# Altium PCB Audio_Research.PcbDoc (part 1 of 4) (continued)
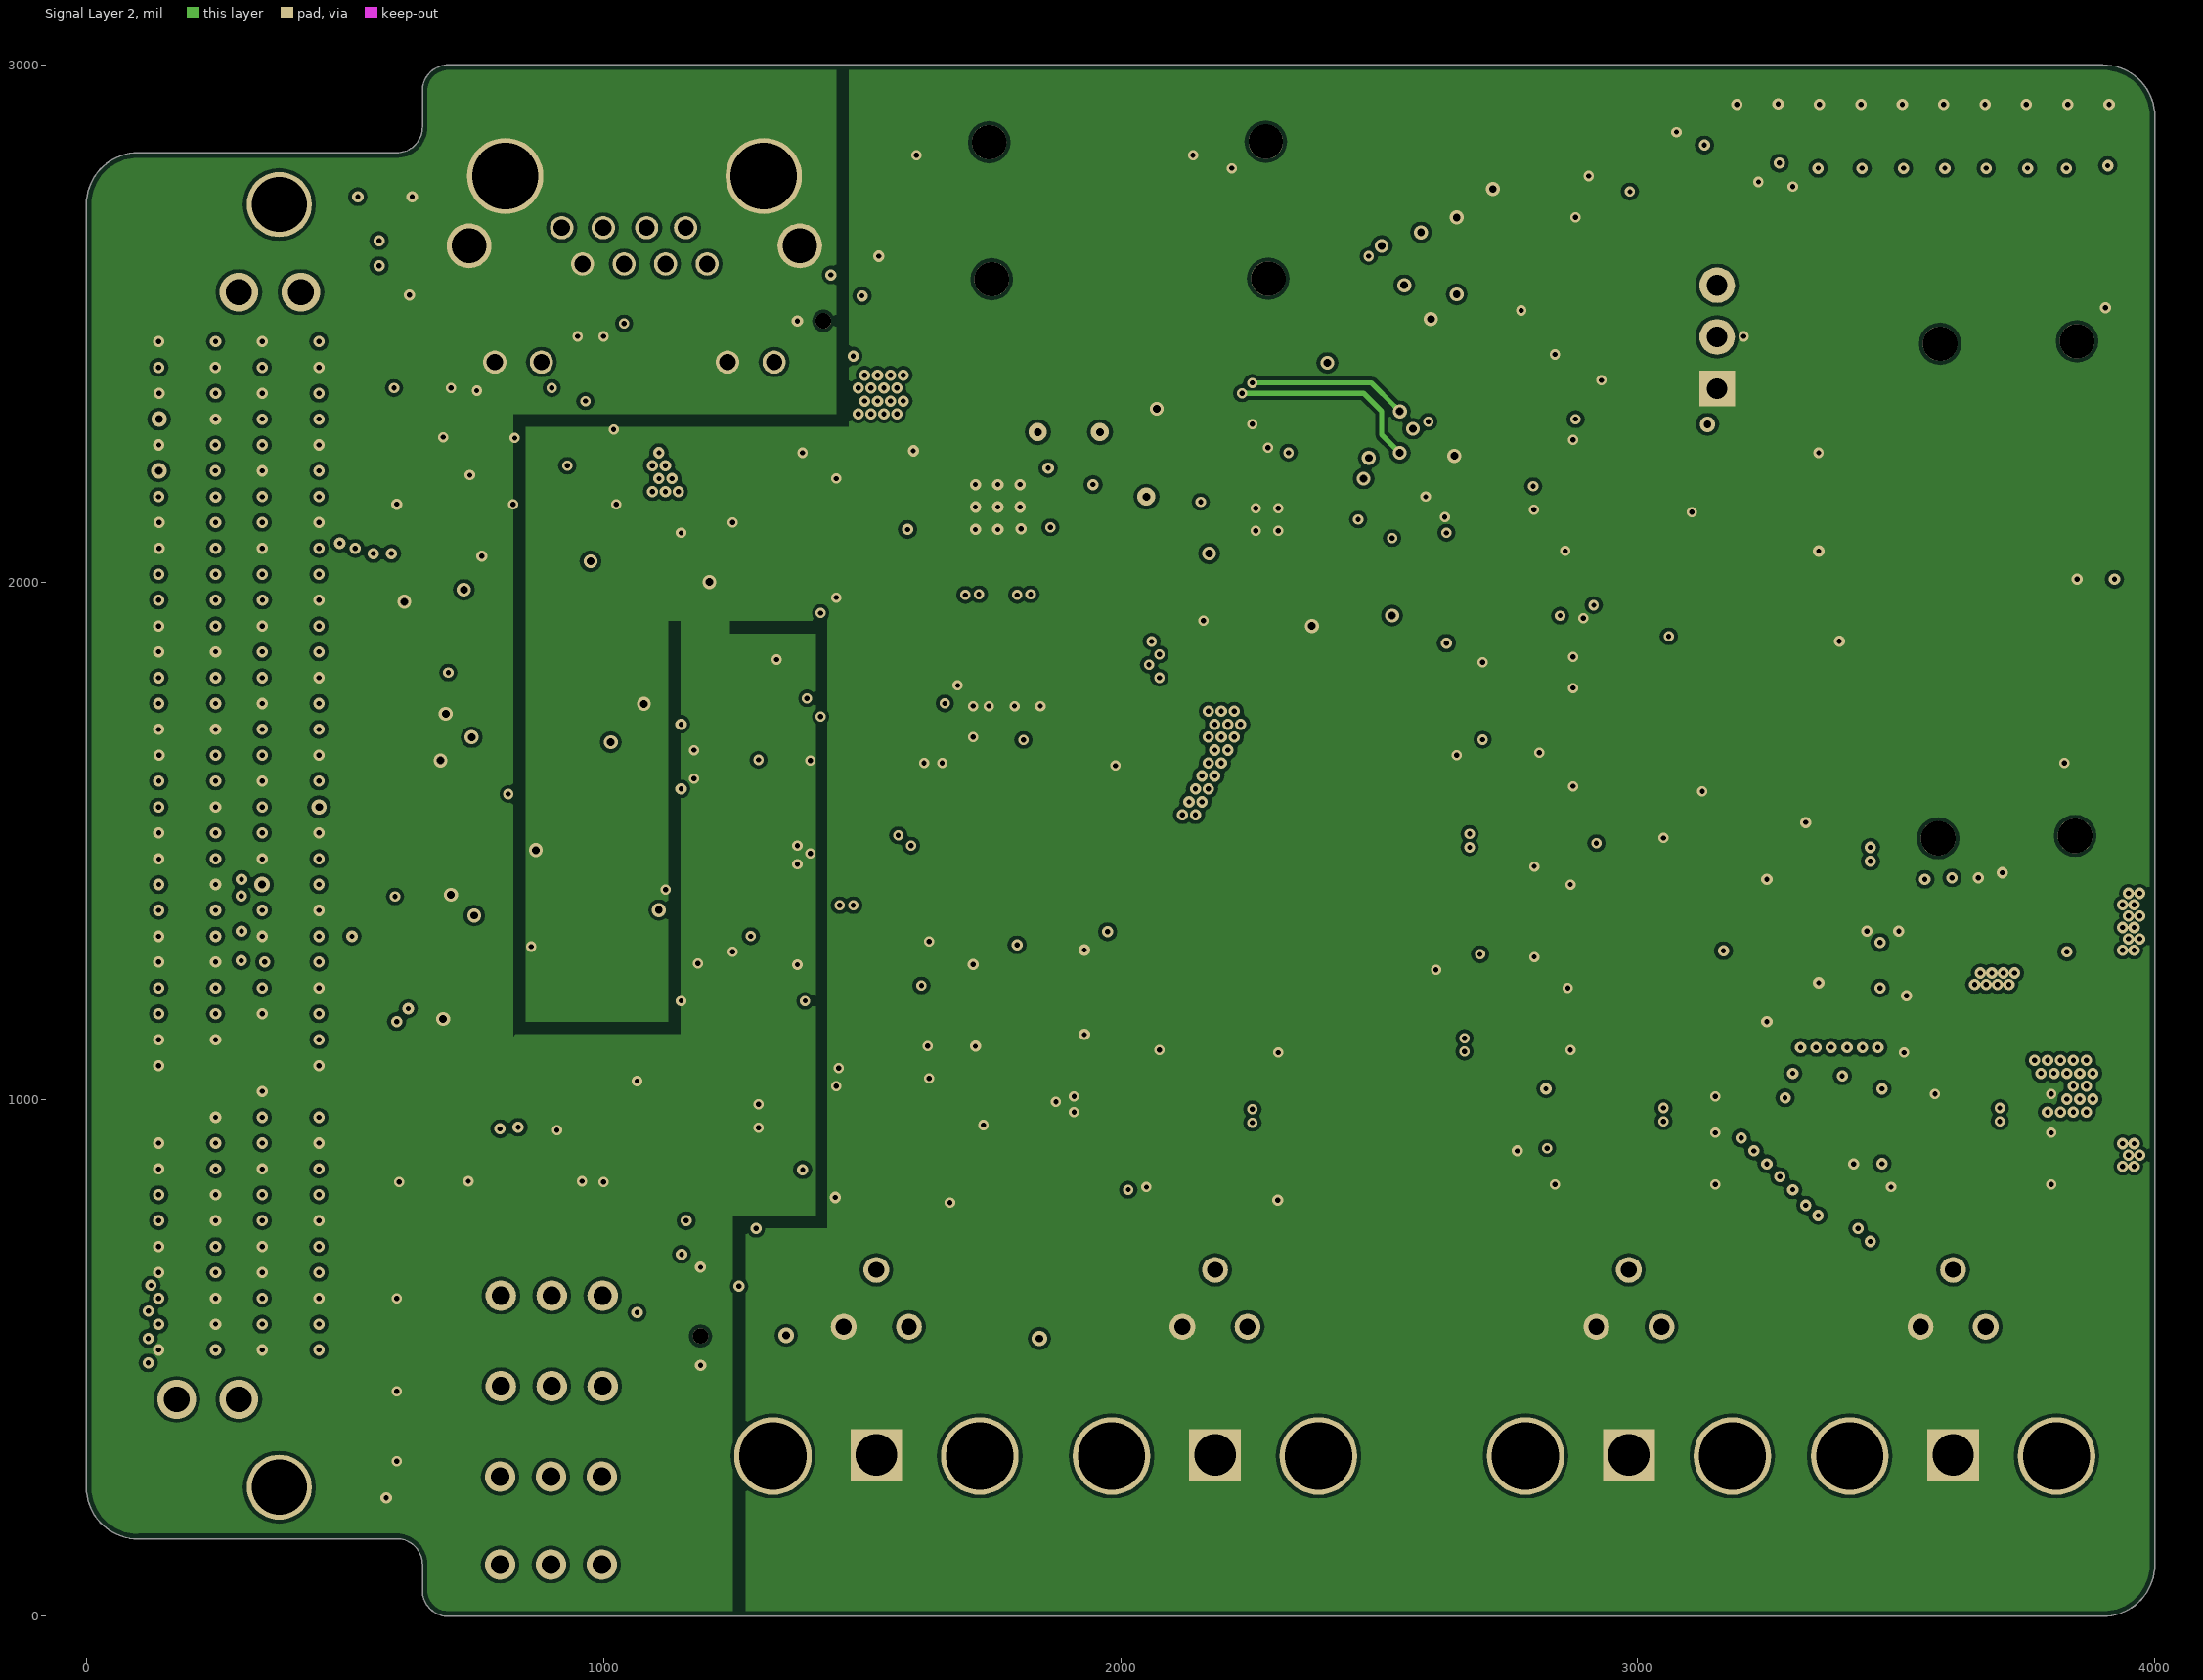
[diagram p3: Signal Layer 2]
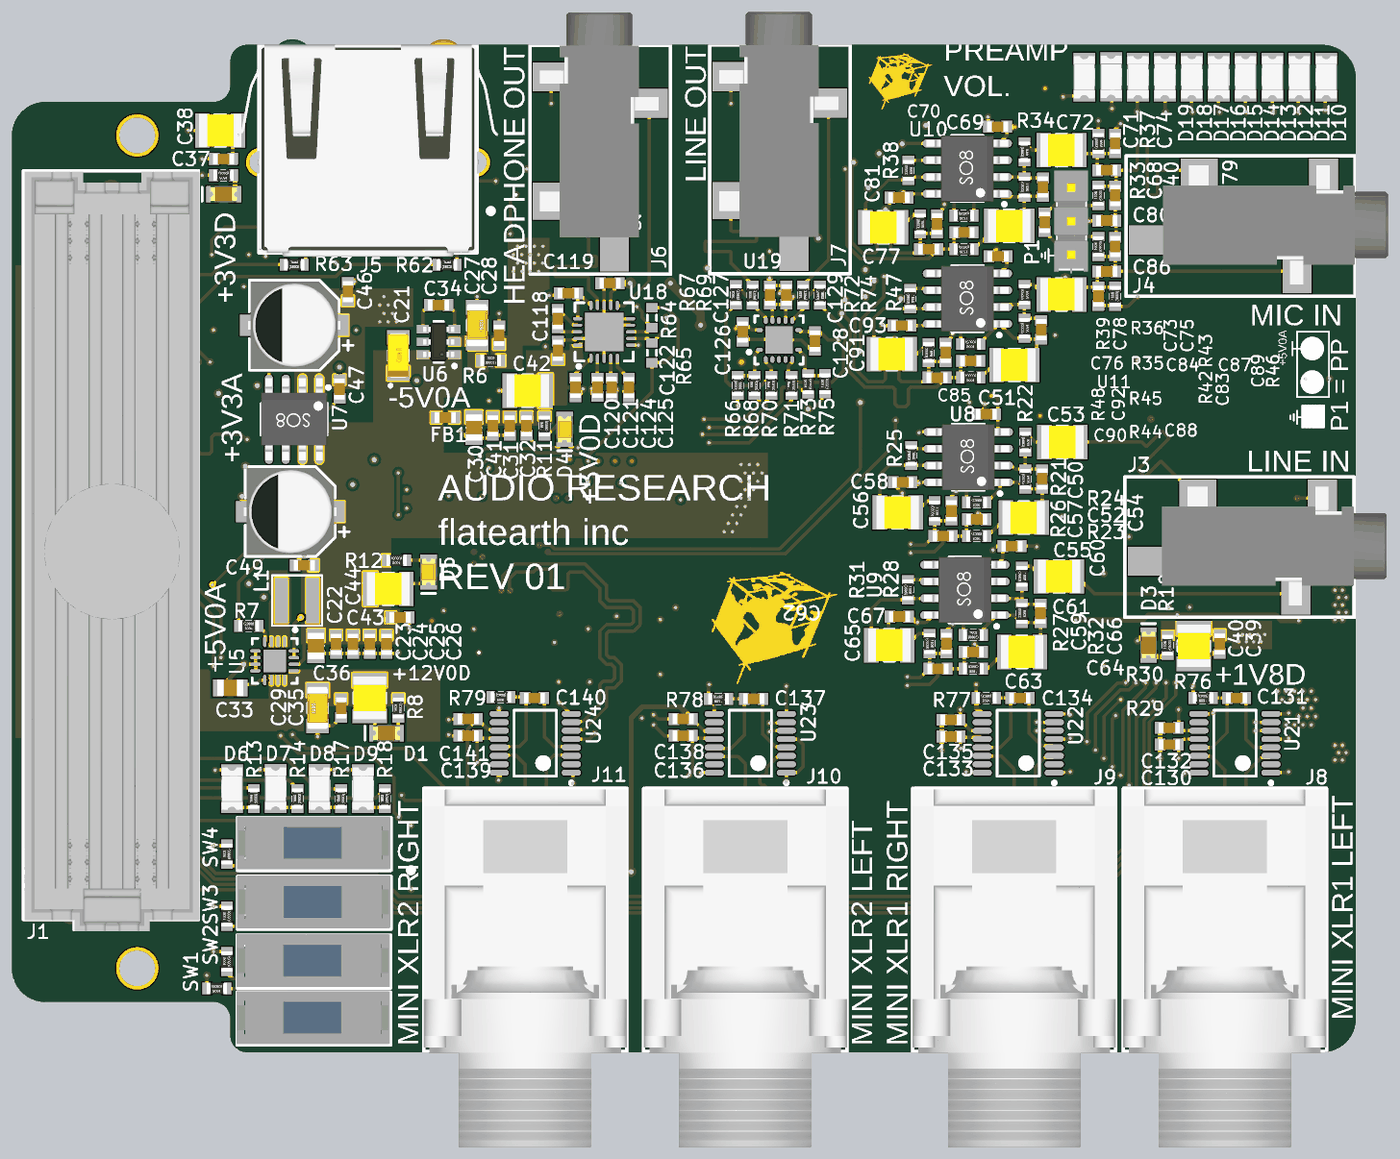
[diagram p7: 3D render of the assembled board from above, using the file's embedded part models]
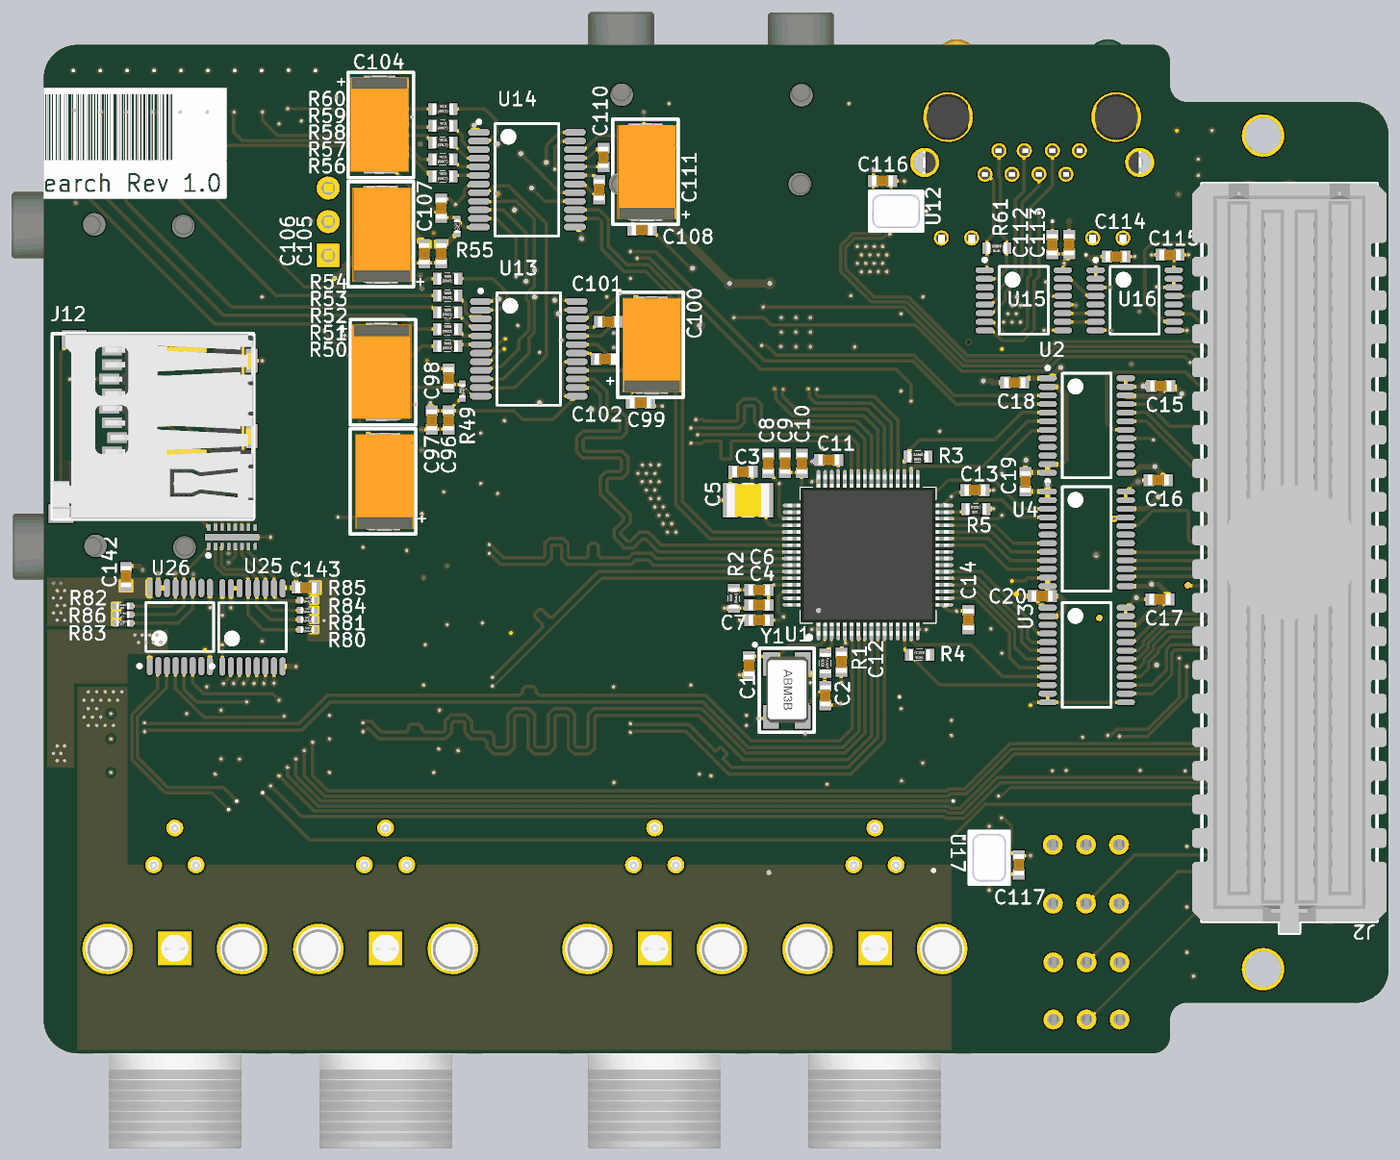
[diagram p8: 3D render of the assembled board from below, using the file's embedded part models]

## Layer stack, top to bottom
Top Solder: solder mask 1, Solder Resist, Dk 3.5
Top Layer: signal copper 1.4
Dielectric 1: core 6.7, FR-4, Dk 4.5
Signal Layer 1: signal copper 0.7
Dielectric 5: prepreg 47, Dk 4.2
Signal Layer 2: signal copper 0.7
Dielectric 4: core 6.7, FR-4, Dk 4.2
Bottom Layer: signal copper 1.4
Bottom Solder: solder mask 1, Solder Resist, Dk 3.5

## Board outline
0,249.65 ccw(c100,249.65) 100,149.65 100,150 600,150 cw(c600,100) 650,100 650,50 ccw(c700,50) 700,0 3900,0 ccw(c3900,100) 4000,100 4000,2900 ccw(c3900,2900) 3900,3000 700,3000 ccw(c700,2950) 650,2950 650,2880 cw(c600,2880) 600,2830 100,2830 100,2829.96 ccw(c100,2729.96) 0,2729.96

## Design rules (kind name [scope] priority, off if disabled: settings)
BoardOutlineClearance [All] p1: gap=10 ignorepadtopadclearanceinfootprint=FALSE except(0: Track-OutlineEdge Track-CavityEdge Track-CutoutEdge Track-SplitBarrior Track-SplitContinuation Text-OutlineEdge Text-CavityEdge Text-CutoutEdge Text-SplitBarrior Text-SplitContinuation)
Clearance Clearance_Polygons [InPolygon] p1: gap=7 ignorepadtopadclearanceinfootprint=FALSE
Clearance "Same Differential Pair" [All] p2: gap=6 ignorepadtopadclearanceinfootprint=TRUE
Clearance "Differential Pairs" [All] p3: gap=6 ignorepadtopadclearanceinfootprint=TRUE
Clearance [All] p4: gap=5 ignorepadtopadclearanceinfootprint=TRUE
ComponentClearance ComponentClearance_1 [HasFootprint('ASP-134604-01')] p1: gap=0 collisioncheckmode=3 verticalgap=0 showdistances=FALSE
ComponentClearance [All] p2: gap=5 collisioncheckmode=3 verticalgap=5 showdistances=FALSE
DiffPairsRouting [All] p1: maxlimit=15 minlimit=6 mostfreqgap=10 toplayer_minwidth=6 toplayer_maxwidth=15 toplayer_prefwidth=10 midlayer1_minwidth=6 midlayer1_maxwidth=15 midlayer1_prefwidth=10 midlayer2_minwidth=6 midlayer2_maxwidth=15 midlayer2_prefwidth=10 bottomlayer_minwidth=6 bottomlayer_maxwidth=15 bottomlayer_prefwidth=10 maxuncoupledlength=700
HoleSize [All] p1: absolutevalues=TRUE maxlimit=130 minlimit=10 maxpercent=80.000 minpercent=20.000
HoleToHoleClearance [All] p1: gap=6 allowstackedmicrovias=TRUE
MatchedLengths SD_CARD [InNetClass('SD_CARD')] p1: tolerance=500 checknetsindiffpair=FALSE checkdiffpairvsdiffpair=TRUE checkxsignals=TRUE checkothers=TRUE
MatchedLengths 1V8_Audio_Out [InNetClass('1V8_Audio_Out')] p2: tolerance=102 checknetsindiffpair=FALSE checkdiffpairvsdiffpair=TRUE checkxsignals=TRUE checkothers=TRUE
MatchedLengths 1V8_Audio_In [InNetClass('1V8_Audio_In')] p3: tolerance=104 checknetsindiffpair=FALSE checkdiffpairvsdiffpair=TRUE checkxsignals=TRUE checkothers=TRUE
MatchedLengths FPGA_Audio_Out [InNetClass('FPGA_Audio_Out')] p4: tolerance=103 checknetsindiffpair=FALSE checkdiffpairvsdiffpair=TRUE checkxsignals=TRUE checkothers=TRUE
MatchedLengths FPGA_Audio_In [InNetClass('FPGA_Audio_In')] p5: tolerance=10 checknetsindiffpair=FALSE checkdiffpairvsdiffpair=TRUE checkxsignals=TRUE checkothers=TRUE
MatchedLengths SPI [InNetClass('SPI')] p6: tolerance=500 checknetsindiffpair=FALSE checkdiffpairvsdiffpair=TRUE checkxsignals=TRUE checkothers=TRUE
MatchedLengths SPI_FPGA [InNetClass('SPI_FPGA')] p7: tolerance=10 checknetsindiffpair=FALSE checkdiffpairvsdiffpair=TRUE checkxsignals=TRUE checkothers=TRUE
MatchedLengths "Differential Pair" [InDifferentialPair('HP_OUT.HP_OUT_L') or InDifferentialPair('HP_OUT.HP_OUT_R') or InDifferentialPair('LINE_IN.LINE_IN_L') or InDifferentialPair('LINE_IN.LINE_IN_R') or InDifferentialPair('LINE_OUT.LINE_OUT_L') or InDifferentialPair('LINE_OUT.LINE_OUT_R') or InDifferentialPair('MIC_PREAMP.MIC_PREAMP_L') or InDifferentialPair('MIC_PREAMP.MIC_PREAMP_R') or InDifferentialPair('XLR_1_OUT.XLR_1_OUT_L') or InDifferentialPair('XLR_1_OUT.XLR_1_OUT_R') or InDifferentialPair('XLR_2_OUT.XLR_2_OUT_L') or InDifferentialPair('XLR_2_OUT.XLR_2_OUT_R')] p8: tolerance=11 checknetsindiffpair=TRUE checkdiffpairvsdiffpair=FALSE checkxsignals=FALSE checkothers=FALSE
MatchedLengths In_Line [InNetClass('Line_In')] p9: tolerance=10 checknetsindiffpair=FALSE checkdiffpairvsdiffpair=TRUE checkxsignals=TRUE checkothers=TRUE
MatchedLengths In_Line_3.5mm [InNetClass('Line_In_3.5mm')] p10: tolerance=10 checknetsindiffpair=FALSE checkdiffpairvsdiffpair=TRUE checkxsignals=TRUE checkothers=TRUE
MatchedLengths In_Mic [InNetClass('Mic_In')] p11: tolerance=10 checknetsindiffpair=FALSE checkdiffpairvsdiffpair=TRUE checkxsignals=TRUE checkothers=TRUE
MatchedLengths In_Mic_3.5mm [InNetClass('Mic_In_3.5mm')] p12: tolerance=10 checknetsindiffpair=FALSE checkdiffpairvsdiffpair=TRUE checkxsignals=TRUE checkothers=TRUE
MatchedLengths In_Mic_Preamp [InNetClass('Mic_Preamp_In')] p13: tolerance=10 checknetsindiffpair=FALSE checkdiffpairvsdiffpair=TRUE checkxsignals=TRUE checkothers=TRUE
MatchedLengths Out_HP [InNetClass('Headphone_Out')] p14: tolerance=10 checknetsindiffpair=FALSE checkdiffpairvsdiffpair=TRUE checkxsignals=TRUE checkothers=TRUE
MatchedLengths Out_HP_3.5mm [InNetClass('HP_Out_3.5mm')] p15: tolerance=10 checknetsindiffpair=FALSE checkdiffpairvsdiffpair=TRUE checkxsignals=TRUE checkothers=TRUE
MatchedLengths Out_Line [InNetClass('Line_Out')] p16: tolerance=10 checknetsindiffpair=FALSE checkdiffpairvsdiffpair=TRUE checkxsignals=TRUE checkothers=TRUE
MatchedLengths Out_Line_3.5mm [InNetClass('Line_Out_3.5mm')] p17: tolerance=10 checknetsindiffpair=FALSE checkdiffpairvsdiffpair=TRUE checkxsignals=TRUE checkothers=TRUE
MatchedLengths Out_XLR1 [InNetClass('XLR_1_Out')] p18: tolerance=36 checknetsindiffpair=FALSE checkdiffpairvsdiffpair=TRUE checkxsignals=TRUE checkothers=TRUE
MatchedLengths Out_XLR1_Conn [InNetClass('XLR_1_Out_Conn')] p19: tolerance=10 checknetsindiffpair=FALSE checkdiffpairvsdiffpair=TRUE checkxsignals=TRUE checkothers=TRUE
MatchedLengths Out_XLR2 [InNetClass('XLR_2_Out')] p20: tolerance=10 checknetsindiffpair=FALSE checkdiffpairvsdiffpair=TRUE checkxsignals=TRUE checkothers=TRUE
MatchedLengths Out_XLR2_Conn [InNetClass('XLR_2_Out_Conn')] p21: tolerance=10 checknetsindiffpair=FALSE checkdiffpairvsdiffpair=TRUE checkxsignals=TRUE checkothers=TRUE
MinimumAnnularRing [All] p1: minimumring=5
MinimumSolderMaskSliver [All] p1: minsoldermaskwidth=0
PlaneClearance [All] p1: clearance=25
PlaneConnect [All] p1: planeconnectstyle=Direct reliefexpansion=25 reliefentries=4 reliefconductorwidth=10 reliefairgap=10
PolygonConnect PolygonConnect_1 [HasFootprint('ASP-134603-01')] p1: connectstyle=Relief reliefconductorwidth=12 reliefentries=4 polygonreliefangle="90 Angle" airgapwidth=8
PolygonConnect [All] p2: connectstyle=Direct reliefconductorwidth=10 reliefentries=4 polygonreliefangle="90 Angle" airgapwidth=10
RoutingVias [All] p1: holewidth=15 width=27 viastyle="Through Hole" minholewidth=10 minwidth=20 maxholewidth=100 maxwidth=150
ShortCircuit ShortCircuit_1 [HasFootprint('INMP621') vs InNet('AGND') And OnLayer('Bottom Layer')] p1: allowed=TRUE
ShortCircuit [All] p2: allowed=FALSE
SilkToSilkClearance [All] p1: silktosilkclearance=3
SilkToSolderMaskClearance [IsPad] p1: minsilkscreentomaskgap=0 clearancetoexposedcopper=TRUE
SolderMaskExpansion [All] p1: expansion=4
Width Width_Logo [HasFootprint('feLogo_small') or HasFootprint('feLogo_medium')] p1: maxlimit=10 minlimit=2 preferedwidth=10
Width [All] p2: maxlimit=50 minlimit=6 preferedwidth=10
20 further rules are at their usual default settings.

## Classes and differential pairs
net class SD_CARD: SD_CD SD_CLK SD_CMD SD_DAT0 SD_DAT1 SD_DAT2 SD_DAT3
net class 1V8_Audio_Out: \R\S\T\_\C\O\D\E\C\_\F\P\G\A\ DLRCLK_FPGA HP_OUT_DSDATA_FPGA LINE_OUT_DSDATA_FPGA XLR_1_OUT_DSDATA_FPGA XLR_2_OUT_DSDATA_FPGA
net class 1V8_Audio_In: ALRCLK_FPGA LINE_IN_DSDATA_FPGA MIC_IN_DSDATA_FPGA
net class FPGA_Audio_Out: HP_OUT_DSDATA LINE_OUT_DSDATA XLR1_DSDATA XLR2_DSDATA
net class FPGA_Audio_In: ALRCLK LINE_DSDATA MIC_DSDATA
net class SPI: SCLK SDI SDO
net class SPI_FPGA: COUT SPI_FPGA.CCLK_FPGA SPI_FPGA.CIN_FPGA
component class U_SD_Card: C142 C143 J12 R80 R81 R82 R83 R84 R85 R86 U20 U25 U26
net class XLR_2_Out_Conn: NetJ10_2 NetJ10_3 NetJ11_2 NetJ11_3
net class XLR_2_Out: XLR_2_OUT.XLR_2_OUT_L_N XLR_2_OUT.XLR_2_OUT_L_P XLR_2_OUT.XLR_2_OUT_R_N XLR_2_OUT.XLR_2_OUT_R_P
net class XLR_1_Out: XLR_1_OUT.XLR_1_OUT_L_N XLR_1_OUT.XLR_1_OUT_L_P XLR_1_OUT.XLR_1_OUT_R_N XLR_1_OUT.XLR_1_OUT_R_P
net class XLR_1_Out_Conn: NetJ8_2 NetJ8_3 NetJ9_2 NetJ9_3
net class Mic_Preamp_In: MIC_PREAMP.MIC_PREAMP_L_N MIC_PREAMP.MIC_PREAMP_L_P MIC_PREAMP.MIC_PREAMP_R_N MIC_PREAMP.MIC_PREAMP_R_P
net class Mic_In: MIC_IN.MIC_IN_L_N MIC_IN.MIC_IN_L_P MIC_IN.MIC_IN_R_N MIC_IN.MIC_IN_R_P
net class Mic_In_3.5mm: MIC_INPUT_L MIC_INPUT_R
net class Line_Out: LINE_OUT.LINE_OUT_L_N LINE_OUT.LINE_OUT_L_P LINE_OUT.LINE_OUT_R_N LINE_OUT.LINE_OUT_R_P
net class Line_Out_3.5mm: NetJ7_2 NetJ7_3
net class Line_In: LINE_IN.LINE_IN_L_N LINE_IN.LINE_IN_L_P LINE_IN.LINE_IN_R_N LINE_IN.LINE_IN_R_P
net class Line_In_3.5mm: LINE_INPUT_L LINE_INPUT_R
component class "TOP LPC FEMALE FMC CONN": J1
component class TopLevel: Logo1 Logo3
component class SUPPORT: D6 D7 D8 D9 R13 R14 R15 R16 R17 R18 R19 R20 SW1 SW2 SW3 SW4
component class "Digital MEMS Microphones": C116 C117 U12 U17
component class "MICROPHONE PREAMP": C94 C95 C96 C97 C98 C99 C100 C101 C102 C103 C104 C105 C106 C107 C108 C109 C110 C111 D10 D11 D12 D13 D14 D15 D16 D17 D18 D19 R49 R50 R51 R52 R53 R54 R55 R56 R57 R58 R59 R60 U13
component class "MICROPHONE IN": C68 C69 C70 C71 C72 C73 C74 C75 C76 C77 C78 C79 C80 C81 C82 C83 C84 C85 C86 C87 C88 C89 C90 C91 C92 C93 J4 P1 R33 R34 R35 R36 R37 R38 R39 R40 R41 R42 R43 R44 R45 R46 R47 R48 U10 U11
component class "MEMS MICROPHONE ARRAY": C112 C113 C114 C115 J5 R61 R62 R63 U15 U16
component class "LINE OUT": C126 C127 C128 C129 J7 R66 R67 R68 R69 R70 R71 R72 R73 R74 R75 U19
component class "LINE IN": C50 C51 C52 C53 C54 C55 C56 C57 C58 C59 C60 C61 C62 C63 C64 C65 C66 C67 J3 R21 R22 R23 R24 R25 R26 R27 R28 R29 R30 R31 R32 U8 U9
component class "LEVEL SHIFTERS": C15 C16 C17 C18 C19 C20 U2 U3 U4
component class "HEADPHONE OUT": C118 C119 C120 C121 C122 C123 C124 C125 J6 R64 R65 U18
component class "BOTTOM LPC MALE FMC CONN": J2
component class "BALANCED MINI XLR 2": C136 C137 C138 C139 C140 C141 J10 J11 R78 R79 U23 U24
component class "BALANCED MINI XLR 1": C130 C131 C132 C133 C134 C135 J8 J9 R76 R77 U21 U22
component class "AUDIO CODEC": C1 C2 C3 C4 C5 C6 C7 C8 C9 C10 C11 C12 C13 C14 R1 R2 R3 R4 R5 U1 Y1
component class Power: C21 C22 C23 C24 C25 C26 C27 C28 C29 C30 C31 C32 C33 C34 C35 C36 C37 C38 C39 C40 C41 C42 C43 C44 C45 C46 C47 C48 C49 D1 D2 D3 D4 D5 FB1 L1 R6 R7 R8 R9 R10 R11 R12 U5 U6 U7
net class "3.5mm Jack Out": HEADPHONE_JACK_OUT_L HEADPHONE_JACK_OUT_R
differential pair WS_RJ45: +WS_RJ45_p -WS_RJ45_n
differential pair SD_RJ45: +SD_RJ45_p -SD_RJ45_n
differential pair SCK_RJ45: +SCK_RJ45_p -SCK_RJ45_n
differential pair XLR_2_OUT.XLR_2_OUT_R: +XLR_2_OUT.XLR_2_OUT_R_P -XLR_2_OUT.XLR_2_OUT_R_N
differential pair XLR_2_OUT.XLR_2_OUT_L: +XLR_2_OUT.XLR_2_OUT_L_P -XLR_2_OUT.XLR_2_OUT_L_N
differential pair XLR_1_OUT.XLR_1_OUT_R: +XLR_1_OUT.XLR_1_OUT_R_P -XLR_1_OUT.XLR_1_OUT_R_N
differential pair XLR_1_OUT.XLR_1_OUT_L: +XLR_1_OUT.XLR_1_OUT_L_P -XLR_1_OUT.XLR_1_OUT_L_N
differential pair MIC_PREAMP.MIC_PREAMP_R: +MIC_PREAMP.MIC_PREAMP_R_P -MIC_PREAMP.MIC_PREAMP_R_N
differential pair MIC_PREAMP.MIC_PREAMP_L: +MIC_PREAMP.MIC_PREAMP_L_P -MIC_PREAMP.MIC_PREAMP_L_N
differential pair LINE_OUT.LINE_OUT_R: +LINE_OUT.LINE_OUT_R_P -LINE_OUT.LINE_OUT_R_N
differential pair LINE_OUT.LINE_OUT_L: +LINE_OUT.LINE_OUT_L_P -LINE_OUT.LINE_OUT_L_N
differential pair LINE_IN.LINE_IN_R: +LINE_IN.LINE_IN_R_P -LINE_IN.LINE_IN_R_N
differential pair LINE_IN.LINE_IN_L: +LINE_IN.LINE_IN_L_P -LINE_IN.LINE_IN_L_N
differential pair HP_OUT.HP_OUT_R: +HP_OUT.HP_OUT_R_P -HP_OUT.HP_OUT_R_N
differential pair HP_OUT.HP_OUT_L: +HP_OUT.HP_OUT_L_P -HP_OUT.HP_OUT_L_N

## Components (designator, comment, footprint, x,y, rotation, side; value= is the part's Value field where it differs from the comment)
C1 "CGA3E2C0G1H220J080AA" 3-0603_L 1902.28,1153.28 r90 bottom
C2 "CGA3E2C0G1H220J080AA" 3-0603_L 1675,1063.28 r90 bottom
C3 "CL10F104ZO8NNNC" 3-0603_L 1920,1730 r180 bottom
C4 "CL10B391KB8NNNC" 3-0603_L 1872.28,1333.28 r180 bottom
C5 "CL32A476KOJNNNE" C1210X25_L 1905,1645 r0 bottom
C6 "CL10B562KB8SFNC" 3-0603_L 1872.28,1378.28 r180 bottom
C7 "CL10F104ZO8NNNC" 3-0603_L 1872.28,1288.28 r0 bottom
C8 "CL10F104ZO8NNNC" 3-0603_L 1845,1755 r270 bottom
C9 "CL10F104ZO8NNNC" 3-0603_L 1795,1755 r270 bottom
C10 "GRM188R61A106ME69D" 3-0603_L 1745,1755 r90 bottom
C11 "CL10F104ZO8NNNC" 3-0603_L 1665,1765 r0 bottom
C12 "CL10F104ZO8NNNC" 3-0603_L 1627.28,1163.28 r270 bottom
C13 "CL10F104ZO8NNNC" 3-0603_L 1230,1675 r0 bottom
C14 "CL10F104ZO8NNNC" 3-0603_L 1250,1290 r270 bottom
C15 "CL10F104ZO8NNNC" 3-0603_L 677.56,1985 r180 bottom
C16 "CL10F104ZO8NNNC" 3-0603_L 685,1705 r180 bottom
C17 "CL10F104ZO8NNNC" 3-0603_L 680,1350 r180 bottom
C18 "CL10F104ZO8NNNC" 3-0603_L 1112.13,1995 r0 bottom
C19 "CL10F104ZO8NNNC" 3-0603_L 1080,1700 r90 bottom
C20 "CL10F104ZO8NNNC" 3-0603_L 1030,1360 r180 bottom
C21 "TR3A106K010C0900" C1206_TANT 1150,2075.24 r90 top
C22 "CL21A226KPCLRNC" 6-0805_L 905.2,1210 r90 top
C23 "C1608X8R2A103K080AA" 3-0603_L 965,1215 r90 top
C24 "CL10F104ZO8NNNC" 3-0603_L 1015,1215 r270 top
C25 "CAP 0603" 3-0603_L 1065,1215 r90 top
C26 "CAP 0603" 3-0603_L 1115,1215 r90 top
C27 "C3216X6S1C226M" C1206 1385,2165 r270 top
C28 "GRM188R61A106ME69D" 3-0603_L 1450,2135 r270 top
C29 "C3216X5R1H106K" C1206 910,1025 r90 top
C30 "CL21A226KPCLRNC" 6-0805_L 1375,1860 r90 top
C31 "C1608X8R2A103K080AA" 3-0603_L 1481.61,1865 r90 top
C32 "CL10F104ZO8NNNC" 3-0603_L 1531.61,1865 r270 top
C33 "GRM2165C1H332JA01D" 6-0805_L 650,1085 r0 top
C34 "CL10F104ZO8NNNC" 3-0603_L 1270,2225 r180 top
C35 "GRM188R61A106ME69D" 3-0603_L 980,1025 r90 top
C36 "CL32X107MQVNNNE" C1210X25_L 1065,1055 r90 top
C37 "GRM188R61A106ME69D" 3-0603_L 630,2660 r180 top
C38 "CL32X107MQVNNNE" C1210X25_L 620,2745 r180 top
C39 "GRM188R61A106ME69D" 3-0603_L 3594.72,1215.37 r90 top
C40 "CL32X107MQVNNNE" C1210X25_L 3517.72,1209.75 r90 top
C41 "GRM188R61A106ME69D" 3-0603_L 1431.3,1865 r90 top
C42 "CL32X107MQVNNNE" C1210X25_L 1535,1970 r0 top
C43 "GRM188R61A106ME69D" 3-0603_L 1155,1295 r180 top
C44 "CL32X107MQVNNNE" C1210X25_L 1120,1380 r180 top
C45 "EEE-FT1H470AP" ALUMCAPC630D_D 840,2165 r180 top
C46 "CL10F104ZO8NNNC" 3-0603_L 1000,2265 r90 top
C47 "C1608X8R2A103K080AA" 3-0603_L 975,1975 r270 top
C48 "EEE-FT1H470AP" ALUMCAPC630D_D 828.43,1610 r180 top
C49 "CL10F104ZO8NNNC" 3-0603_L 870,1450 r180 top
C50 "CL10C121JB8NCNC" 3-0603_L 3066.38,1707.01 r270 top
C51 "CL10F104ZO8NNNC" 3-0603_L 2900,1900 r0 top
C52 "" 3-0603_L 2871.38,1587.01 r0 top
C53 "CL32A476KOJNNNE" C1210X25_L 3126.38,1817.01 r180 top
C54 "CL32A476KOJNNNE" C1210X25_L 3011.38,1592.01 r180 top
C55 "C1608C0G2A101J" 3-0603_L 2771.38,1537.01 r0 top
C56 "CL32A476KOJNNNE" C1210X25_L 2636.38,1607.01 r0 top
C57 "" 3-0603_L 2796.38,1612.01 r270 top
C58 "CL10F104ZO8NNNC" 3-0603_L 2651.38,1697.01 r0 top
C59 "CL10C121JB8NCNC" 3-0603_L 3061.38,1307.01 r270 top
C60 "CL10F104ZO8NNNC" 3-0603_L 2976.38,1507.01 r180 top
C61 "CL32A476KOJNNNE" C1210X25_L 3116.38,1416.69 r180 top
C62 "" 3-0603_L 2861.38,1192.01 r0 top
C63 "CL32A476KOJNNNE" C1210X25_L 3006.38,1192.01 r180 top
C64 "C1608C0G2A101J" 3-0603_L 2756.38,1142.01 r0 top
C65 "CL32A476KOJNNNE" C1210X25_L 2611.38,1212.01 r0 top
C66 "" 3-0603_L 2781.38,1217.01 r270 top
C67 "CL10F104ZO8NNNC" 3-0603_L 2641.38,1297.01 r0 top
C68 "CL10C121JB8NCNC" 3-0603_L 3068.66,2576.34 r270 top
C69 "CL10F104ZO8NNNC" 3-0603_L 2933.66,2756.34 r0 top
C70 "" 3-0603_L 2833.35,2441.34 r0 top
C71 "CGA3E1X7R1C105M080AC" 3-0603_L 3258.66,2626.34 r180 top
C72 "CL32A476KOJNNNE" C1210X25_L 3123.66,2686.34 r180 top
C73 "CL32A476KOJNNNE" C1210X25_L 2968.35,2460.71 r180 top